# Allegro board RK3588S_Template_LP4XD200P232SD8H2_31X31_2133MHz_H1R6_V11_20220218YWQ.brd (continued)
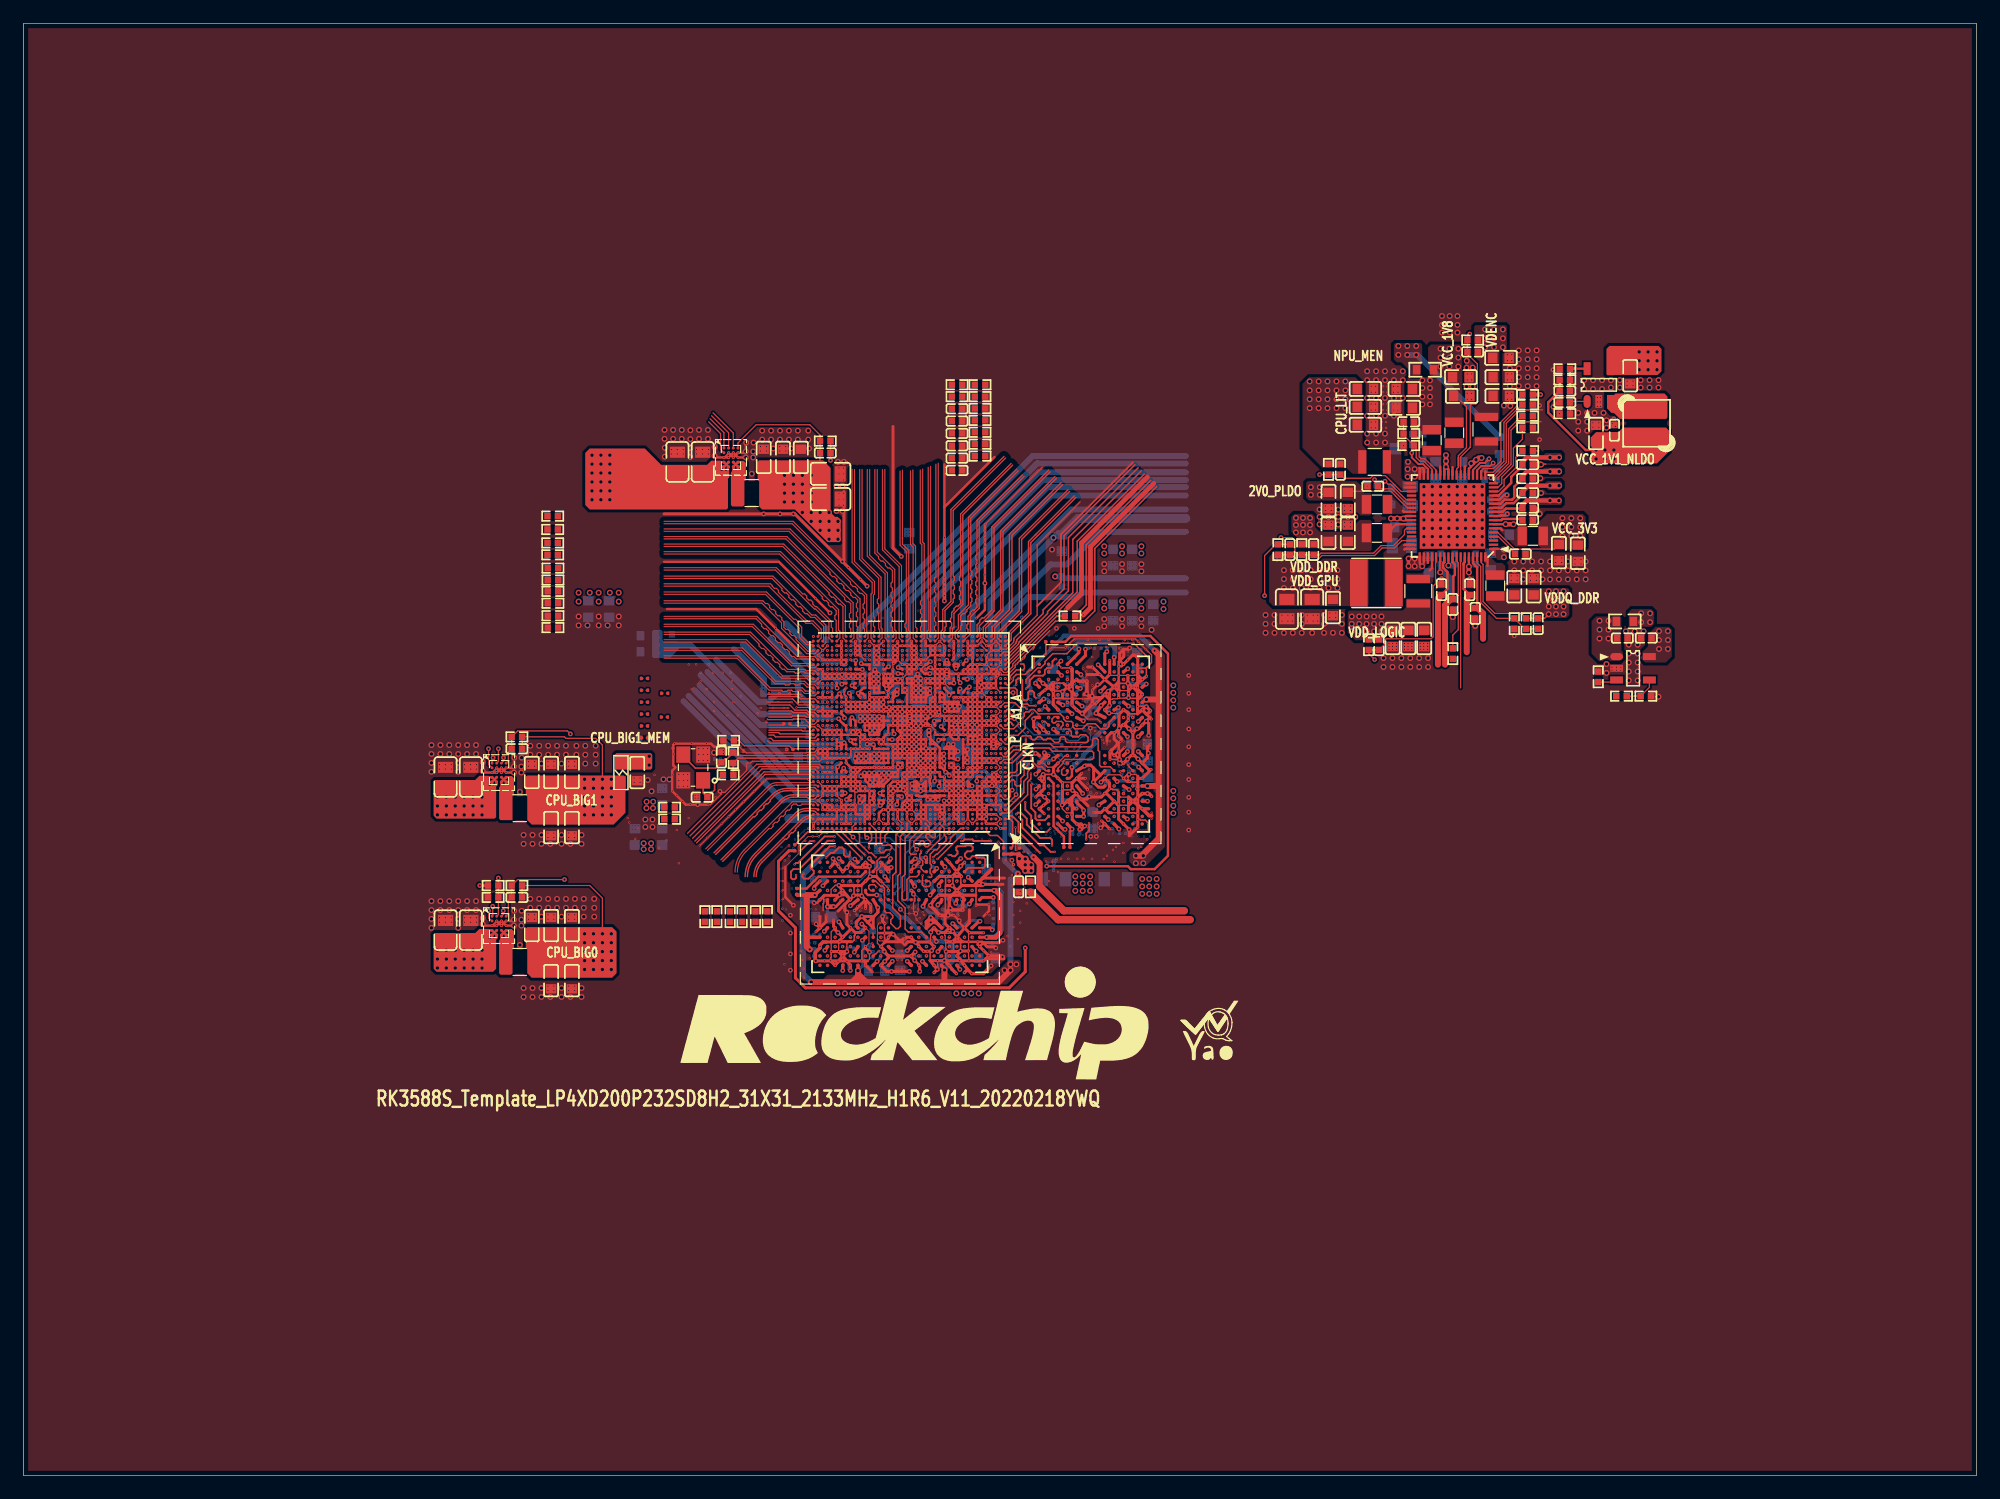
[diagram p0: board, top side]
## Routing (per net, layer and track width the routed paths; a pad name or vN(x,y) marks a point on that pad's centre or on a via; arc(x,y) is an arc through that point) (continued)
HDMI/EDP_TX0_REXT: length 3.3
  L3-S1 w0.102: v2(83.09,70.9) 83.2,70.9 83.68,71.37 84.2,71.37 85.22,72.39 v3(85.34,72.39)
  L6-S2 w0.102: v4(85.34,72.77) v3(85.34,72.39)
HDMI_TX0_CEC_M0: length 13
  L3-S1 w0.076: 73.74,72.74 73.96,72.51 73.96,70.97 v2(73.89,70.9)
  L3-S1 w0.102: 73.71,83.81 73.74,83.79 73.74,72.74
HDMI_TX0_HPD_M0: length 13
  L3-S1 w0.076: 66.24,59.56 66.62,59.56 67.03,59.97 68,59.97 v2(68.27,59.7)
  L3-S1 w0.102: 59.51,51.91 59.51,53.18 65.35,59.02 65.89,59.56 66.24,59.56
HDMI_TX0_SCL_M0: length 15.7
  L3-S1 w0.076: v2(75.49,70.1) 75.74,70.34 75.74,70.66 75.47,70.93 75.47,72.36 75.26,72.57 75.26,72.82
  L3-S1 w0.102: 75.11,84.91 75.11,81.29 75.84,80.55 75.84,78.57 75.26,77.99 75.26,72.82
HDMI_TX0_SDA_M0: length 14.4
  L3-S1 w0.076: v2(75.09,70.5) 75.16,70.57 75.16,72.16 74.75,72.57 74.75,72.71
  L3-S1 w0.102: 74.59,84.64 74.59,72.88 74.75,72.71
HOST0_REXT: length 1.6
  TOP w0.102: U1000.AW5 82.29,70.5 v2(81.89,70.9)
  L3-S1 w0.102: v3(81.92,71.2) 81.92,70.92 v2(81.89,70.9)
  L6-S2 w0.102: v3(81.92,71.2) v4(81.92,71.5)
  BOTTOM w0.102: v4(81.92,71.5) 81.74,71.68 R1405.1
HOST1_REXT: length 1.8
  L3-S1 w0.102: v2(81.89,69.7) 81.89,69.7 v3(82.19,69.7)
  L6-S2 w0.102: v4(82.19,70) v3(82.19,69.7)
  BOTTOM w0.102: R1406.1 82.05,70.73 82.05,70.13 82.18,70 v4(82.19,70)
HOST_WAKE_BT_H: length 12
  TOP w0.102: U1000.AH42 v2(66.34,66.1)
  L3-S1 w0.076: v2(66.34,66.1) 66.24,66.1
  L3-S1 w0.102: 57.36,70.55 61.72,70.55 66.17,66.1 66.24,66.1
HP_DET_L: length 14.8
  L3-S1 w0.076: 66.24,61.01 66.27,61.01 66.38,61.12 68.87,61.12 v2(69.09,60.9)
  L3-S1 w0.102: 66.24,61.01 64.44,61.01 59.89,56.46 59.89,56.34 58.72,55.17 56.97,55.17
I2C0_SCL_M2: length 18.6
  TOP w0.102: U1000.AH41 67.61,66.38 67.38,66.38 66.39,66.38 66.22,66.55 63.69,66.55
  TOP w0.104: U2300.A3 41,47.95 v1(41,48.26) ; v1(41.02,61.34) 41.02,61.05 U2301.A3
  L6-S2 w0.102: v1(41,48.26) 41,61.32 v1(41.02,61.34)
I2C0_SDA_M2: length 29.2
  TOP w0.102: v2(66.06,65.63) 67.14,65.63 67.35,65.42 67.61,65.42 U1000.AG41
  TOP w0.104: U2301.B1 39.74,60.77 v1(39.74,62.1) ; U2300.B1 40.02,47.39 39.74,47.67 v1(39.74,48.26)
  L3-S1 w0.102: 57.36,70.14 61.5,70.14 66.02,65.63 v2(66.06,65.63)
  L6-S2 w0.102: v1(39.74,48.26) v1(39.74,62.1)
I2C2_SCL_M0: length 17.1
  TOP w0.102: 58.93,90.81 60.65,89.08 U2302.A3
  L3-S1 w0.076: 66.21,67.51 66.7,67.01 66.85,67.01 67.09,66.78 68.57,66.78 v2(68.69,66.9)
  L3-S1 w0.102: 66.21,67.51 62.14,71.57 57.36,71.57
I2C2_SDA_M0: length 16.3
  TOP w0.102: U2302.B1 59.56,87.68 59.56,89.03 58.55,90.04
  L3-S1 w0.076: 66.22,68.36 66.82,67.76 66.82,67.69 67.27,67.23 67.89,67.23 68.29,67.63 v2(68.29,67.68)
  L3-S1 w0.102: 57.43,72.18 62.4,72.18 66.22,68.36
I2C3_SCL_M1_SENSOR: length 12.3
  L3-S1 w0.076: v2(70.69,70.9) 70.28,71.31 70.28,73.03 70.35,73.09
  L3-S1 w0.102: 64.61,80.59 70.35,74.86 70.35,73.09
I2C3_SDA_M1_SENSOR: length 13.8
  L3-S1 w0.076: 66.21,69.52 66.85,68.88 66.85,68.79 67.29,68.36 69.35,68.36 v2(69.89,68.9)
  L3-S1 w0.102: 66.21,69.52 62.73,73 58.26,73
I2C4_SCL_M3_TP: length 12.6
  L3-S1 w0.076: 66.24,58.87 66.31,58.93 68.32,58.93 v2(68.69,59.3)
  L3-S1 w0.102: 61.42,51.01 61.42,53.91 65.21,57.7 65.21,57.98 66.08,58.85 66.23,58.85 66.24,58.87
I2C4_SDA_M3_TP: length 9.2
  L3-S1 w0.076: v2(69.09,56.5) 68.75,56.85 67.23,56.85 66.03,55.64
  L3-S1 w0.102: 63.96,51.01 63.96,53.57 66.03,55.64
I2C5_SCL_M3_CAM: length 12.7
  L3-S1 w0.076: v2(69.09,59.3) 68.57,58.78 66.39,58.78 66.24,58.63
  L3-S1 w0.102: 66.24,58.63 66.21,58.6 66.19,58.6 65.58,57.99 65.58,57.78 61.65,53.85 61.65,51.01
I2C5_SDA_M3_CAM: length 10
  L3-S1 w0.076: v2(69.49,57.3) 69.14,57.3 68.83,57 67.1,57 66.2,56.1
  L3-S1 w0.102: 66.2,56.1 63.63,53.53 63.63,51.01
I2C6_SCL_M3: length 16.9
  L3-S1 w0.076: 75.62,72.59 75.62,70.99 75.89,70.73 75.89,70.1 v2(75.49,69.7)
  L3-S1 w0.102: 75.62,72.59 75.51,72.69 75.51,77.95 76.05,78.49 76.05,80.64 75.31,81.37 75.31,85.72
I2C6_SDA_M3: length 13.2
  L3-S1 w0.076: 73.25,72.57 73.25,72.51 73.15,72.4 73.15,70.84 v2(73.49,70.5)
  L3-S1 w0.102: 73.25,72.57 73.25,83.46 73.24,83.48
I2C7_SCL_M0_CODEC: length 15
  L3-S1 w0.076: 66.02,61.49 66.03,61.48 69.27,61.48 v2(69.49,61.7)
  L3-S1 w0.102: 56.56,56.66 58.57,56.66 63.4,61.49 66.02,61.49
I2C7_SDA_M0_CODEC: length 14.6
  L3-S1 w0.076: 66.07,61.69 66.11,61.66 69.05,61.66 v2(69.09,61.7)
  L3-S1 w0.102: 56.46,56.95 58.49,56.95 63.24,61.69 66.07,61.69
I2C8_SCL_M2_CAM: length 12.8
  L3-S1 w0.076: v2(69.49,59.3) 68.82,58.62 66.5,58.62 66.24,58.36
  L3-S1 w0.102: 66.24,58.36 65.92,58.04 65.92,57.83 61.85,53.77 61.85,51.01
I2C8_SDA_M2_CAM: length 10.3
  L3-S1 w0.076: v2(69.09,57.7) 69,57.7 68.62,57.32 66.85,57.32 66.2,56.68
  L3-S1 w0.102: 66.2,56.68 63.12,53.6 63.12,51.01
I2S0_LRCK_TX: length 13.8
  L3-S1 w0.076: 66.24,60.6 66.29,60.6 66.44,60.75 68.44,60.75 68.67,60.52 68.69,60.52 68.69,60.52 v2(68.71,60.52)
  L3-S1 w0.102: 66.24,60.6 65.3,60.6 58.88,54.18 57.74,54.18
I2S0_MCLK: length 15.1
  L3-S1 w0.076: v2(69.89,61.7) 69.48,61.29 66.24,61.29
  L3-S1 w0.102: 66.24,61.29 63.96,61.29 58.63,55.96 57.18,55.96
I2S0_SCLK_TX: length 12.5
  TOP w0.102: U1000.M42 67.27,59.92 63.37,59.92 57.51,54.06
I2S0_SDI0: length 12.6
  TOP w0.102: U1000.N42 67.47,60.12 63.28,60.12 57.37,54.21
I2S0_SDO0: length 13.4
  TOP w0.102: U1000.P41 67.81,60.58 62.88,60.58 56.96,54.66
I2S2_LRCK_M1_BT: length 11.1
  L3-S1 w0.076: v2(69.49,70.5) 69.66,70.67 69.66,71.56 68.66,72.57
  L3-S1 w0.102: 62.62,78.6 68.66,72.57
I2S2_SCLK_M1_BT: length 11.7
  L3-S1 w0.076: 70.05,72.95 70.13,72.87 70.13,71.06 v2(70.29,70.9)
  L3-S1 w0.102: 64.08,80.06 70.05,74.09 70.05,72.95
I2S2_SDI_M1_BT: length 13.3
  L3-S1 w0.076: v2(70.69,70.5) 70.94,70.75 70.94,70.99 70.44,71.49 70.44,72.94 70.55,73.06
  L3-S1 w0.102: 65.01,81.14 70.43,75.72 70.43,75.34 70.55,75.22 70.55,73.06
I2S2_SDO_M1_BT: length 11.8
  L3-S1 w0.076: 69.97,72.65 69.97,70.83 v2(70.29,70.5)
  L3-S1 w0.102: 63.58,79.55 69.67,73.46 69.67,72.95 69.97,72.65
IR_CAM_NTC: length 18.8
  L3-S1 w0.076: v2(79.89,70.1) 79.89,70.1 79.5,70.49 79.5,71.25 79.36,71.39 79.36,72.34 79.48,72.47 79.48,72.57
  L3-S1 w0.102: 79.26,88.52 79.26,85.73 79.3,85.68 79.29,85.66 79.29,74.03 79.48,73.85 79.48,72.57
IR_CAM_RST_AP: length 12.1
  L3-S1 w0.076: 69.69,72.63 69.81,72.51 69.81,70.58 v2(70.29,70.1)
  L3-S1 w0.102: 69.69,72.63 69.12,73.2 68.91,73.2 63.07,79.05
IR_CAM_STROBE_AP: length 10.5
  TOP w0.102: v2(69.09,70.79) U1000.AW38
  L3-S1 w0.076: 67.6,72.51 68.56,71.56 68.56,71.43 69.09,70.89 v2(69.09,70.79)
  L3-S1 w0.102: 67.6,72.51 62.07,78.05
LCD_BL_PWM14_M1: length 19.5
  L3-S1 w0.076: 77.36,72.42 77.36,72.3 77.74,71.92 77.74,70.72 78.18,70.28 78.18,70.03 78.07,69.92 78.07,69.52 v2(78.29,69.3)
  L3-S1 w0.102: 76.73,87.73 76.73,83.47 77.47,82.73 77.47,77.9 77.12,77.55 77.12,73.69 77.36,73.45 77.36,72.42
LCD_PWREN_H: length 16.6
  L3-S1 w0.076: v2(76.69,70.9) 76.75,70.96 76.75,72.94 76.74,72.95
  L3-S1 w0.102: 76.12,86.92 76.12,81.83 76.86,81.09 76.86,78.15 76.51,77.8 76.51,73.44 76.74,73.21 76.74,72.95
LCD_RESET_L: length 11.2
  L3-S1 w0.076: 66.24,57.58 66.5,57.84 66.5,58.03 66.79,58.32 68.47,58.32 v2(68.69,58.1)
  L3-S1 w0.102: 62.26,51.01 62.26,53.6 66.24,57.58
MIPI_CAM1_CLKOUT: length 11.2
  L3-S1 w0.076: v2(69.49,70.1) 69.27,70.32 69.27,70.64 69.38,70.75 69.38,70.83 68.91,71.3 68.91,71.5 67.84,72.57
  L3-S1 w0.102: 62.21,78.19 67.84,72.57
MIPI_CAM1_PDN_L: length 8.4
  L3-S1 w0.076: v2(68.69,56.5) 68.6,56.5 68.41,56.69 67.37,56.69 66.21,55.54
  L3-S1 w0.102: 64.27,51.01 64.27,53.59 66.21,55.54
MIPI_CAM1_PWREN_H: length 10.4
  L3-S1 w0.076: 66.2,56.39 66.98,57.17 68.69,57.17 69,57.48 69.19,57.48 69.41,57.7 v2(69.49,57.7)
  L3-S1 w0.102: 66.2,56.39 63.37,53.56 63.37,51.01
MIPI_CAM1_RST_L: length 14.1
  L3-S1 w0.076: 66.24,59.97 66.6,59.97 66.9,60.28 68.21,60.28 68.57,59.92 68.87,59.92 v2(69.09,59.7)
  L3-S1 w0.102: 66.24,59.97 65.73,59.97 64.37,58.62 59,53.25 59,52.42
MIPI_CAM2_CLKOUT: length 10.9
  L3-S1 w0.076: 66.47,71.64 66.76,71.35 66.76,71.3 68.19,69.87 68.92,69.87 v2(69.49,69.3)
  L3-S1 w0.102: 66.47,71.64 62.24,75.87 61.54,75.87 61.41,76
MIPI_CAM2_PDN_L: length 12
  L3-S1 w0.076: v2(69.09,58.1) 69.09,58.16 68.78,58.47 66.65,58.47 66.24,58.07 66.24,57.87
  L3-S1 w0.102: 62.06,51.01 62.06,53.68 66.24,57.87
MIPI_CAM2_PWREN_H: length 10.1
  L3-S1 w0.076: 66.2,56.96 66.72,57.48 68.47,57.48 v2(68.69,57.7)
  L3-S1 w0.102: 62.86,51.01 62.86,53.63 66.2,56.96
MIPI_CAM2_RST_L: length 14.6
  L3-S1 w0.076: v2(69.49,59.7) 69.07,60.12 68.58,60.12 68.28,60.43 66.68,60.43 66.42,60.17 66.24,60.17
  L3-S1 w0.102: 58.65,52.77 58.65,53.18 63.88,58.41 65.64,60.17 66.24,60.17
MIPI_CAM3_CLKOUT: length 11.3
  L3-S1 w0.076: 66.22,70.66 67.5,69.38 67.66,69.38 67.94,69.1 68.49,69.1 v2(68.69,68.9)
  L3-S1 w0.102: 66.22,70.66 62.53,74.35 59.6,74.35
MIPI_CAM3_PDN_L: length 13
  L3-S1 w0.076: v2(72.29,70.1) 72.69,70.5 72.69,72.47 72.64,72.52 72.64,72.57
  L3-S1 w0.102: 72.64,82.93 72.64,72.57
MIPI_CAM3_PWREN_H: length 12.8
  L3-S1 w0.076: 70.82,72.95 70.59,72.72 70.59,71.55 71.09,71.05 71.09,70.5 v2(70.69,70.1)
  L3-S1 w0.102: 70.82,72.95 70.89,73.02 70.89,75.17 70.69,75.37 70.69,82.35
MIPI_CAM3_RST_L: length 13.3
  L3-S1 w0.076: 71.37,72.57 71.37,72.21 71.29,72.12 71.29,70.37 70.69,69.78 v2(70.69,69.7)
  L3-S1 w0.102: 70.92,82.5 70.92,75.43 71.37,74.98 71.37,72.57
MIPI_CPHY0_RX_TRIO0_A: length 17.8
  TOP w0.089: 54.74,77.57 64.34,77.57 66.58,75.33 66.75,75.33 66.92,75.16 66.92,74.99 67.1,74.81 67.27,74.81 67.45,74.64 67.45,74.47 67.67,74.24 67.78,74.24 69.02,73 69.02,72.5 69.14,72.39 69.14,72.06 69.02,71.95 69.02,71.77 U1000.BB38
MIPI_CPHY0_RX_TRIO0_B: length 17.7
  TOP w0.089: 54.74,77.37 64.25,77.37 67.58,74.04 67.69,74.04 68.82,72.91 68.82,71.57 U1000.BA38
MIPI_CPHY0_RX_TRIO0_C: length 17.4
  TOP w0.089: 54.74,76.85 64.04,76.85 67.36,73.53 67.69,73.53 68.56,72.66 68.56,71.17 U1000.AY40
MIPI_CPHY0_RX_TRIO1_A: length 17
  TOP w0.089: U1000.BA40 68.36,71.37 68.36,72.58 67.61,73.33 67.27,73.33 66.96,73.64 66.8,73.64 66.58,73.86 66.58,74.02 66.37,74.24 66.2,74.24 65.99,74.45 65.99,74.61 65.77,74.83 65.61,74.83 65.4,75.05 65.4,75.21 65.18,75.42 65.02,75.42 64.8,75.64 64.8,75.8 63.96,76.65 54.74,76.65
MIPI_CPHY0_RX_TRIO1_B: length 16.3
  TOP w0.089: U1000.BA41 68.16,71.57 68.16,72.32 67.46,73.03 66.95,73.03 64.51,75.47 64.51,75.64 64.33,75.81 64.16,75.81 63.97,76.01 63.97,76.06 63.83,76.2 54.74,76.2
MIPI_CPHY0_RX_TRIO1_C: length 15.3
  TOP w0.089: U1000.BB41 67.96,71.77 67.96,72.24 67.38,72.82 66.87,72.82 63.69,75.99 54.74,75.99
MIPI_CPHY0_RX_TRIO2_A: length 15.1
  TOP w0.089: U1000.BA42 67.39,71.2 67.01,71.2 66.5,71.71 66.5,72.49 66.2,72.79 66.2,72.95 65.98,73.17 65.82,73.17 63.49,75.5 54.74,75.5
MIPI_CPHY0_RX_TRIO2_B: length 15
  TOP w0.089: U1000.AY42 67.39,71 66.92,71 66.29,71.63 66.29,72.41 63.4,75.3 54.74,75.3
MIPI_CPHY0_RX_TRIO2_C: length 15.3
  TOP w0.089: U1000.AW42 67.42,70.43 67.02,70.43 66.01,71.43 66.01,71.6 65.84,71.78 65.67,71.78 65.49,71.95 65.49,72.12 65.32,72.3 65.15,72.3 64.97,72.47 64.97,72.95 64.8,73.12 64.8,73.29 64.62,73.47 64.45,73.47 64.28,73.65 64.28,73.81 64.1,73.99 63.93,73.99 63.76,74.17 63.76,74.34 63.58,74.51 63.41,74.51 63.18,74.75 54.74,74.75
MIPI_CPHY0_TX_TRIO0_A: length 24
  TOP w0.089: U1000.BA31 72.16,71.57 72.16,72.02 72.06,72.12 72.06,75.24 65.77,81.53 54.74,81.53
MIPI_CPHY0_TX_TRIO0_B: length 23.7
  TOP w0.089: U1000.BB31 71.96,71.77 71.96,71.93 71.85,72.04 71.85,72.34 71.74,72.46 71.74,72.76 71.85,72.88 71.85,73.18 71.74,73.3 71.74,73.6 71.85,73.71 71.85,74.02 71.74,74.13 71.74,74.44 71.85,74.55 71.85,75.16 71.64,75.38 71.48,75.38 71.26,75.59 71.26,75.75 71.04,75.97 70.88,75.97 70.67,76.18 70.67,76.35 65.68,81.33 54.74,81.33
MIPI_CPHY0_TX_TRIO0_C: length 22.5
  TOP w0.089: U1000.BB32 71.42,71.77 71.42,72.03 71.48,72.09 71.48,74.9 65.5,80.89 54.74,80.89
MIPI_CPHY0_TX_TRIO1_A: length 23.3
  TOP w0.089: U1000.BA32 71.22,71.57 71.22,72.12 71.28,72.18 71.28,72.48 71.17,72.6 71.17,72.9 71.28,73.02 71.28,73.32 71.17,73.43 71.17,73.74 71.28,73.85 71.28,74.08 71.17,74.2 71.17,74.5 71.28,74.62 71.28,74.82 71.06,75.03 70.9,75.03 70.69,75.25 70.69,75.41 70.47,75.63 70.31,75.63 70.09,75.84 70.09,76 69.88,76.22 69.72,76.22 69.5,76.43 69.5,76.6 69.29,76.81 69.13,76.81 68.91,77.03 68.91,77.19 65.41,80.68 54.74,80.68
MIPI_CPHY0_TX_TRIO1_B: length 21.9
  TOP w0.089: 54.74,80.24 65.23,80.24 70.89,74.58 70.89,72.14 70.96,72.07 70.96,71.57 U1000.BA34
MIPI_CPHY0_TX_TRIO1_C: length 21.4
  TOP w0.089: U1000.BB34 70.76,71.77 70.76,71.99 70.69,72.06 70.69,72.36 70.57,72.48 70.57,72.78 70.69,72.9 70.69,73.2 70.57,73.32 70.57,73.62 70.69,73.74 70.69,74.49 70.51,74.67 70.34,74.67 70.17,74.85 70.17,75.01 65.15,80.04 54.74,80.04
MIPI_CPHY0_TX_TRIO2_A: length 20.3
  TOP w0.089: 54.74,79.59 64.96,79.59 70.22,74.33 70.22,71.77 U1000.BB35
MIPI_CPHY0_TX_TRIO2_B: length 20.7
  TOP w0.089: U1000.BA35 70.02,71.57 70.02,74.24 69.81,74.46 69.64,74.46 69.43,74.68 69.43,74.84 69.21,75.05 69.05,75.05 68.84,75.27 68.84,75.43 64.88,79.39 54.74,79.39
MIPI_CPHY0_TX_TRIO2_C: length 19.8
  TOP w0.089: U1000.BA37 69.76,71.57 69.76,72.13 69.65,72.25 69.65,73.99 64.69,78.94 54.74,78.94
MIPI_CPHY1_RX_TRIO0_A: length 14.9
  TOP w0.089: U1000.BB23 75.02,71.77 75.02,77.75 73.6,79.18 73.6,85.97
MIPI_CPHY1_RX_TRIO0_B: length 15.4
  TOP w0.089: 73.39,85.97 73.39,79.1 74.82,77.67 74.82,71.57 U1000.BA23
MIPI_CPHY1_RX_TRIO0_C: length 15.5
  TOP w0.089: U1000.BA25 74.56,71.57 74.56,72.14 74.45,72.26 74.45,77.42 72.95,78.91 72.95,85.97
MIPI_CPHY1_RX_TRIO1_A: length 15.6
  TOP w0.089: U1000.BB25 74.36,71.77 74.36,72.06 74.24,72.18 74.24,72.48 74.13,72.59 74.13,72.9 74.24,73.01 74.24,73.32 74.13,73.43 74.13,73.74 74.24,73.85 74.24,74.16 74.13,74.27 74.13,74.58 74.24,74.69 74.24,74.99 74.13,75.11 74.13,75.41 74.24,75.53 74.24,75.83 74.13,75.95 74.13,76.25 74.24,76.37 74.24,77.33 74.03,77.55 73.87,77.55 73.65,77.76 73.65,77.92 73.44,78.14 73.27,78.14 73.06,78.36 73.06,78.52 72.75,78.83 72.75,85.97
MIPI_CPHY1_RX_TRIO1_B: length 14.9
  TOP w0.089: U1000.BB26 73.82,71.77 73.82,77.12 72.3,78.64 72.3,85.97
MIPI_CPHY1_RX_TRIO1_C: length 15.4
  TOP w0.089: 72.1,85.97 72.1,78.56 73.62,77.04 73.62,71.57 U1000.BA26
MIPI_CPHY1_RX_TRIO2_A: length 15.5
  TOP w0.089: U1000.BA28 73.09,71.31 73.36,71.59 73.36,72.35 73.28,72.43 73.28,76.75 71.65,78.38 71.65,85.97
MIPI_CPHY1_RX_TRIO2_B: length 15.2
  TOP w0.089: U1000.BB28 73.16,71.77 73.16,72.26 73.08,72.35 73.08,73.65 72.96,73.77 72.96,74.05 73.08,74.17 73.08,74.45 72.96,74.57 72.96,74.85 73.08,74.97 73.08,76.67 71.45,78.29 71.45,85.97
MIPI_CPHY1_RX_TRIO2_C: length 15.2
  TOP w0.089: 71.01,85.97 71.01,78.11 72.72,76.39 72.72,75.33 72.62,75.23 72.62,73.4 72.74,73.28 72.74,73 72.62,72.89 72.62,72.61 72.74,72.49 72.74,72.19 72.62,72.07 72.62,71.77 U1000.BB29
MIPI_CSI0_RX_CLK0N: length 14.7
  TOP w0.089: U1000.AN41 67.62,67.83 67.24,67.83 66.95,68.12 64.79,68.12 61.69,71.22 54.74,71.22
MIPI_CSI0_RX_CLK0P: length 14.1
  TOP w0.089: U1000.AN42 67.26,68.1 67.03,68.33 64.87,68.33 61.77,71.42 54.74,71.42
MIPI_CSI0_RX_CLK1N: length 14.7
  TOP w0.089: 54.74,73.21 62.6,73.21 63.07,72.74 63.07,72.58 63.29,72.36 63.45,72.36 63.66,72.14 63.66,71.98 63.88,71.77 64.04,71.77 64.26,71.55 64.26,71.39 64.47,71.17 64.63,71.17 64.85,70.96 64.85,70.8 65.06,70.58 65.23,70.58 65.44,70.37 65.44,70.2 65.66,69.99 65.82,69.99 66.03,69.77 67.42,69.77 U1000.AU42
MIPI_CSI0_RX_CLK1P: length 14.7
  TOP w0.089: U1000.AU41 67.61,69.98 66.12,69.98 62.68,73.41 54.74,73.41
MIPI_CSI0_RX_D0N: length 14.6
  TOP w0.089: 54.74,70.72 61.44,70.72 64.29,67.87 66.75,67.87 67.05,67.57 67.61,67.57 67.88,67.3 U1000.AL41
MIPI_CSI0_RX_D0P: length 14.3
  TOP w0.089: 54.74,70.51 61.36,70.51 64.21,67.67 64.99,67.67 65.1,67.55 65.41,67.55 65.52,67.67 65.83,67.67 65.94,67.55 66.25,67.55 66.36,67.67 66.67,67.67 66.96,67.37 67.42,67.37 67.49,67.3 U1000.AL42
MIPI_CSI0_RX_D1N: length 14.1
  TOP w0.089: U1000.AK42 67.36,67.03 66.83,67.03 66.55,67.31 63.8,67.31 61.06,70.04 54.74,70.04
MIPI_CSI0_RX_D1P: length 14.8
  TOP w0.089: U1000.AK41 67.62,66.63 67.33,66.63 67.13,66.82 66.75,66.82 66.46,67.11 66.16,67.11 66.04,66.99 65.74,66.99 65.63,67.11 65.32,67.11 65.21,66.99 64.9,66.99 64.79,67.11 63.71,67.11 60.98,69.84 54.74,69.84
MIPI_CSI0_RX_D2N: length 14.2
  TOP w0.089: 54.74,72.74 62.36,72.74 65.71,69.39 67.09,69.39 67.25,69.23 67.42,69.23 U1000.AT42
MIPI_CSI0_RX_D2P: length 14.7
  TOP w0.089: 54.74,72.54 62.28,72.54 65.63,69.19 67.01,69.19 67.17,69.03 67.42,69.03 67.62,69.03 U1000.AT41
MIPI_CSI0_RX_D3N: length 14.6
  TOP w0.089: U1000.AP41 67.62,68.77 66.88,68.77 66.76,68.88 65.31,68.88 62.12,72.07 54.74,72.07
MIPI_CSI0_RX_D3P: length 14.6
  TOP w0.089: U1000.AP42 67.42,68.57 66.79,68.57 66.68,68.68 66.38,68.68 66.26,68.57 65.96,68.57 65.84,68.68 65.22,68.68 65.01,68.9 64.84,68.9 64.63,69.11 64.63,69.27 64.41,69.49 64.25,69.49 64.04,69.71 64.04,69.87 63.82,70.08 63.66,70.08 63.44,70.3 63.44,70.46 63.23,70.68 63.07,70.68 62.85,70.89 62.85,71.05 62.04,71.87 54.74,71.87
MIPI_D/C_PHY0_VREG: length 0.6
  TOP w0.203: v1(71.12,69.65) 71.09,69.62 U1000.AT33
  BOTTOM w0.279: C1604.1 v1(71.12,69.65)
MIPI_D/C_PHY1_VREG: length 1.6
  L3-S1 w0.203: v2(73.49,69.3) 73.49,69.38 73.76,69.65 v3(73.79,69.65)
  L6-S2 w0.381: v3(73.79,69.65) 73.79,70.09 73.34,70.54 v4(73.33,70.54)
MIPI_DPHY0_RX_D3P: length 15.3
  TOP w0.089: 54.74,74.54 63.09,74.54 64.77,72.86 64.77,72.39 66.93,70.23 67.62,70.23 U1000.AW41
MIPI_DPHY0_TX_D3P: length 19.3
  TOP w0.089: 54.74,78.74 64.61,78.74 68.25,75.1 68.25,74.93 68.43,74.75 68.6,74.75 68.77,74.58 68.77,74.41 68.95,74.23 69.12,74.23 69.44,73.91 69.44,73.6 69.33,73.49 69.33,73.18 69.44,73.07 69.44,72.16 69.56,72.05 69.56,71.77 U1000.BB37
MIPI_DPHY1_RX_D3P: length 15.5
  TOP w0.089: 70.8,85.97 70.8,78.02 72.52,76.31 72.52,75.41 72.42,75.32 72.42,71.57 U1000.BA29
MIPI_DPHY1_TX_CLKN: length 14.9
  TOP w0.089: U1000.BA19 76.96,71.57 76.96,79.63 76.83,79.76 76.83,86
MIPI_DPHY1_TX_CLKP: length 14.7
  TOP w0.089: 76.63,85.92 76.63,79.68 76.76,79.54 76.76,74.82 76.64,74.7 76.64,74.45 76.76,74.33 76.76,74.08 76.64,73.96 76.64,73.71 76.76,73.59 76.76,73.34 76.64,73.22 76.64,72.97 76.76,72.85 76.76,72.61 76.65,72.49 76.65,72.19 76.76,72.07 76.76,71.77 U1000.BB19
MIPI_DPHY1_TX_D0N: length 15.3
  TOP w0.089: 78.16,86.5 78.16,71.57 U1000.BA16
MIPI_DPHY1_TX_D0P: length 15.3
  TOP w0.089: 77.96,86.42 77.96,76.8 77.85,76.68 77.85,76.38 77.96,76.26 77.96,75.96 77.85,75.84 77.85,75.54 77.96,75.43 77.96,75.12 77.85,75.01 77.85,74.7 77.96,74.59 77.96,74.28 77.85,74.17 77.85,73.86 77.96,73.75 77.96,73.44 77.85,73.33 77.85,73.03 77.96,72.91 77.96,72.66 77.84,72.54 77.84,72.29 77.96,72.17 77.96,71.77 U1000.BB16
MIPI_DPHY1_TX_D1N: length 14.6
  TOP w0.089: 77.51,86.23 77.51,72.14 77.42,72.06 77.42,71.77 U1000.BB17
MIPI_DPHY1_TX_D1P: length 15
  TOP w0.089: 77.31,86.15 77.31,72.23 77.22,72.14 77.22,71.57 U1000.BA17
MIPI_DPHY1_TX_D2N: length 14.5
  TOP w0.089: 75.99,85.93 75.99,79.65 76.22,79.42 76.22,72.5 76.34,72.38 76.34,72.14 76.22,72.02 76.22,71.77 U1000.BB20
MIPI_DPHY1_TX_D2P: length 14.8
  TOP w0.089: U1000.BA20 76.02,71.57 76.02,79.33 75.79,79.56 75.79,85.85
MIPI_DPHY1_TX_D3N: length 15
  TOP w0.089: 75.1,85.91 75.1,79.58 75.64,79.05 75.64,72.22 75.76,72.1 75.76,71.57 U1000.BA22
MIPI_DPHY1_TX_D3P: length 14.5
  TOP w0.089: U1000.BB22 75.56,71.77 75.56,72.01 75.44,72.14 75.44,72.38 75.32,72.5 75.32,72.75 75.44,72.87 75.44,78.96 74.9,79.5 74.9,85.83
MIPI_MCLK_SL: length 9.7
  L3-S1 w0.076: 65.99,72.7 67.26,71.43 67.26,71.3 67.64,70.92 67.8,70.92 68.6,70.12 v2(68.69,70.12)
  L3-S1 w0.102: 65.99,72.7 62.18,76.5 61.93,76.5 61.74,76.69
MIPI_TE0: length 9.2
  L3-S1 w0.076: 67.01,71.3 68.18,70.13 68.29,70.13 v2(68.29,70.12)
  L3-S1 w0.102: 67.01,71.3 67.01,71.39 62.27,76.12 61.8,76.12 61.67,76.26
Net_14: length 2.5
  L3-S1 w0.076: v2(69.49,66.1) 69.39,66.2 v3(69.39,66.4)
  L6-S2 w0.102: v4(68.83,65.95) 68.95,65.95 v3(69.39,66.4)
  BOTTOM w0.102: 67.58,66.41 68.03,65.95 v4(68.83,65.95)
OTG0_REXT: length 0.9
  L3-S1 w0.102: v2(81.49,69.7) v3(81.49,69.38)
  L6-S2 w0.102: v4(81.49,69.68) v3(81.49,69.38)
  BOTTOM w0.102: v4(81.49,69.68) 81.66,69.85 R1404.1
PCIE20_0_REFCLKN: length 11.8
  TOP w0.089: 58.45,53.42 63.8,58.77 arc(64.06,58.94) 64.36,59 67.69,59 arc(67.78,58.99) 67.86,58.93 U1000.K41
PCIE20_0_REFCLKP: length 11.5
  TOP w0.089: 58.3,53.56 63.65,58.91 arc(63.98,59.13) 64.36,59.21 67.27,59.21 arc(67.37,59.23) 67.47,59.28 arc(67.48,59.29) U1000.L42
PCIE20_0_RXN: length 11.2
  TOP w0.112: 59.01,53.21 59.54,53.74 63.98,58.19 arc(64.56,58.58) 65.25,58.71 66.88,58.71 arc(66.94,58.73) 66.99,58.76 arc(67.04,58.78) 67.1,58.79 67.56,58.79 arc(67.6,58.78) 67.64,58.75 U1000.J41
PCIE20_0_RXP: length 10.8
  TOP w0.112: 59.15,53.08 59.68,53.61 62.36,56.29 62.49,56.29 62.7,56.51 62.7,56.63 62.92,56.85 63.04,56.85 63.26,57.06 63.26,57.19 63.48,57.4 63.6,57.4 63.82,57.62 63.82,57.75 64.12,58.05 arc(64.64,58.4) 65.25,58.52 66.98,58.52 arc(67.02,58.53) 67.05,58.55 arc(67.16,58.58) 67.27,58.59 67.31,58.59 arc(67.39,58.57) 67.47,58.53 U1000.J42
PCIE20_0_TXN: length 10.2
  TOP w0.112: 59.6,52.62 64.71,57.72 arc(65.2,58.05) 65.78,58.17 66.98,58.17 arc(67.06,58.15) 67.13,58.1 arc(67.22,58.07) 67.31,58.05 67.38,58.05 arc(67.39,58.05) 67.4,58.06 arc(67.45,58.07) U1000.H42
PCIE20_0_TXP: length 10.5
  TOP w0.112: U1000.H41 67.64,57.85 arc(67.57,57.8) 67.48,57.78 67.32,57.78 arc(67.17,57.82) 67.04,57.9 arc(66.97,57.95) 66.88,57.97 65.78,57.97 arc(65.27,57.87) 64.84,57.58 59.74,52.48
PCIE20_2_REFCLKN: length 9.9
  TOP w0.089: U1000.F42 67.49,57.31 arc(67.41,57.36) 67.31,57.38 66.53,57.38 66.41,57.26 66.16,57.26 66.04,57.38 65.79,57.38 65.62,57.2 65.62,57.03 65.44,56.86 65.27,56.86 65.1,56.68 65.1,56.51 64.92,56.34 64.75,56.34 64.58,56.16 64.58,55.99 64.4,55.82 64.23,55.82 64.05,55.64 64.05,55.47 63.87,55.29 63.7,55.29 61.72,53.31 arc(61.19,52.51) 61,51.56
PCIE20_2_REFCLKP: length 10.2
  TOP w0.089: U1000.F41 67.69,57.51 arc(67.6,57.56) 67.5,57.58 65.71,57.58 61.58,53.45 arc(61,52.58) 60.8,51.56
PCIE20X1_2_CLKREQN_M0: length 13.6
  L3-S1 w0.076: 72.85,72.57 72.85,70.41 72.51,70.07 72.51,69.92 v2(72.29,69.7)
  L3-S1 w0.102: 72.85,83.11 72.85,72.57
PCIE20X1_2_PERSTN_M0: length 13
  L3-S1 w0.076: v2(73.49,70.9) 73.81,71.22 73.81,72.43 73.5,72.74
  L3-S1 w0.102: 73.5,83.6 73.5,72.74
PCIE20X1_2_WAKEN_M0/PWM8_M2: length 12.7
  L3-S1 w0.076: v2(71.89,70.5) 71.59,70.8 71.59,72 71.78,72.18 71.78,72.57
  L3-S1 w0.102: 71.33,82.85 71.33,75.6 71.78,75.15 71.78,72.57
PDM0_CLK0_M0: length 12.8
  L3-S1 w0.076: 66.24,59.36 66.63,59.36 67.09,59.82 67.77,59.82 v2(67.89,59.7)
  L3-S1 w0.102: 66.24,59.36 65.98,59.36 65.85,59.23 64.52,57.9 64.52,57.79 60.45,53.72 60.45,51.01
PDM0_CLK1_M0: length 11.9
  L3-S1 w0.076: v2(70.29,61.7) 70.25,61.7 69.98,61.98 68.86,61.98 68.69,61.81 66.19,61.81 66.13,61.87
  L3-S1 w0.102: 66.13,61.87 66.07,61.93 62.44,61.93 62.03,61.52 61.16,61.52 60.49,62.2 59.89,62.2 59.3,62.79
PDM0_SDI0: length 14
  L3-S1 w0.076: 66.24,60.4 66.3,60.4 66.5,60.6 68.33,60.6 68.64,60.28 68.87,60.28 v2(69.09,60.5)
  L3-S1 w0.102: 58.33,53.25 65.48,60.4 66.24,60.4
PDM0_SDI2_M0: length 14.1
  TOP w0.102: 56.74,54.88 62.65,60.78 68.01,60.78 U1000.P40
PHONE_CTL: length 17.1
  L3-S1 w0.076: v2(76.69,70.5) 76.69,70.5 76.45,70.74 76.45,70.97 76.6,71.11 76.6,72.82 76.45,72.96 76.45,73.14
  L3-S1 w0.102: 76.45,73.14 76.3,73.29 76.3,77.88 76.66,78.24 76.66,81.01 75.92,81.75 75.92,86.84
PMIC_EXT_EN_OUT: length 21
  TOP w0.102: v1(116.33,84.96) 116.59,84.71 116.81,84.71 118.13,83.39 U2200.39
  L3-S1 w0.102: v1(116.33,84.96) 116.59,84.71 118.87,84.71 120.21,86.04 120.21,86.93 124.01,90.74 v2(131.25,90.74)
PMIC_FB6: length 5.8
  TOP w0.102: R2218.2 117.91,88.91 R2227.1 119,87.83 119,87 119.32,86.68 119.65,86.68 120.35,85.98 U2200.31
  TOP w0.104: C2216.2 R2218.2
PMIC_FB9: length 9.9
  TOP w0.102: C2229.2 R2236.2 128.28,72.34 R2241.1 125.86,73.24 124.51,74.59 124.51,77.67 124.2,77.98 U2200.66
PMIC_INT_L: length 12.9
  TOP w0.102: R2261.2 127.63,91.93 127.63,91.42 126.24,90.02 126.24,86.68 125.59,86.04 124.74,86.04 124.55,85.85 U2200.19 ; 63.58,62.79 63.79,62.58 67.41,62.58 U1000.W42
PMIC_PWR_CTRL2: length 8.1
  TOP w0.102: U2200.61 122.45,78.12 122.59,77.98 122.59,72.28 122.12,71.81 R2242.2
PMIC_PWR_CTRL3: length 6.3
  TOP w0.102: R2290.2 128.07,88.55 127.3,87.78 127.3,86.31 126.31,85.32 126.31,84.77 125.98,84.44 U2200.16
PMIC_RESET_L: length 11.9
  TOP w0.102: U1000.V42 65.78,62.1 C1110.1 65.43,62.35 61.6,62.35 61.14,62.81 R1104.1 ; v1(115.44,85.09) 115.44,84.83 C2262.1 115.96,84.32 116.92,84.32 118.19,83.04 U2200.40
  BOTTOM w0.102: R2263.2 115.64,84.89 v1(115.44,85.09)
PMIC_SPI_CLK: length 6.8
  TOP w0.102: R1115.2 127.99,90.52 126.9,89.43 126.9,86.48 125.73,85.31 125.73,84.91 U2200.17
PMIC_SPI_CS: length 20.1
  TOP w0.102: R2258.1 128.01,91.51 126.49,89.99 126.49,86.65 125.57,85.72 124.99,85.72 124.9,85.64 U2200.18
  L3-S1 w0.076: v2(68.29,62.5) 68.07,62.28 66.48,62.28 66.17,62.59
  L3-S1 w0.102: 66.17,62.59 61.53,62.59 60.44,63.68 56.6,63.68
PMIC_SPI_MOSI: length 17.6
  TOP w0.102: R1116.2 127.51,87 127.51,86.11 126.51,85.11 126.51,84.57 126.03,84.09 U2200.15
  L3-S1 w0.076: v2(69.09,62.9) 69,62.9 68.48,63.42 68.01,63.42 67.91,63.53 66.24,63.53
  L3-S1 w0.102: 66.24,63.53 62.66,63.53 60.51,65.67 57.36,65.67
